# EAGLE board Mk4 Final Panel 6up 3x2 (EAGLE 9.0.1), part 2 of 18
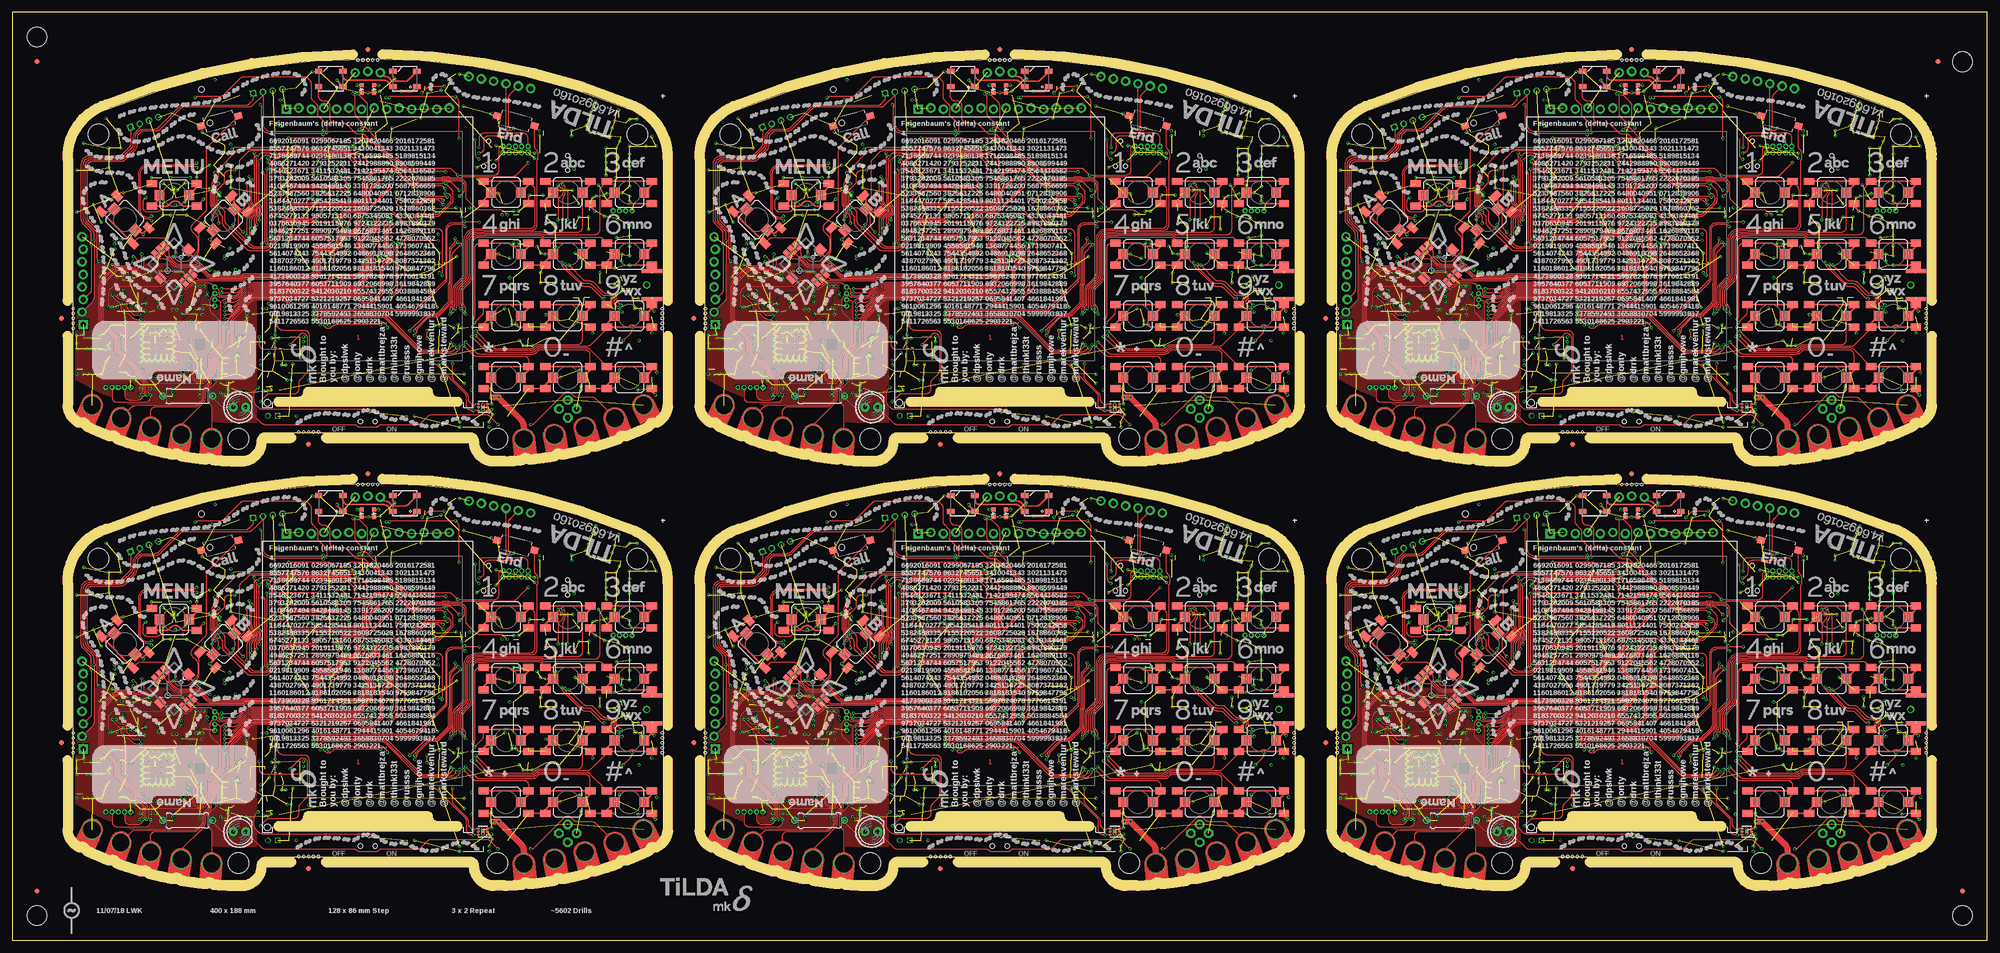
[diagram p0: board, top side]
## Placement (x,y rotation side) (continued)
C527  0402/100n/10V/X5R  [C0402-SMALLER]  292.75,37.75 180 bottom
C528  0402/100n/10V/X5R  [C0402-SMALLER]  293,30.75 180 bottom
C529  0402/100n/10V/X5R  [C0402-SMALLER]  285,27 270 bottom
C530  0402/12p/50V/C0G  [C0402-SMALLER]  278.95,32.25 270 bottom
C531  0402/12p/50V/C0G  [C0402-SMALLER]  278.95,30.25 90 bottom
C532  0402/12p/50V/C0G  [C0402-SMALLER]  295.75,33.75 270 bottom
C533  0402/12p/50V/C0G  [C0402-SMALLER]  295.75,35.75 90 bottom
C534  0402/100n/10V/X5R  [C0402-SMALLER]  343,31.5 180 bottom
C535  0402/120p/50V/C0G  [C0402-SMALLER]  295.95,26.35 270 bottom
C536  0402/100n/10V/X5R  [C0402-SMALLER]  352.25,22 90 bottom
C537  0402/220n/6V3/X5R  [C0402-SMALLER]  291.95,72.4 180 bottom
C538  0402/220n/6V3/X5R  [C0402-SMALLER]  292,69.5 180 bottom
C539  0402/100n/10V/X5R  [C0402-SMALLER]  347.35,18.5 270 bottom
C540  0402/100n/10V/X5R  [C0402-SMALLER]  354,21.5 270 bottom
C649  0603/4u7/10V/X5R  [C0603K-SMALL]  319.75,138.25 180 bottom
C650  0402/100n/10V/X5R  [C0402-SMALLER]  319.75,137 180 bottom
C651  0603/1u/6V3/X5R  [C0603K-SMALL]  322.75,173.5 270 bottom
C652  0402/100n/10V/X5R  [C0402-SMALLER]  337.75,144.25 0 bottom
C653  0402/100n/10V/X5R  [C0402-SMALLER]  330.5,170.75 270 bottom
C654  0402/100n/10V/X5R  [C0402-SMALLER]  337.5,166.5 0 bottom
C655  0402/100n/10V/X5R  [C0402-SMALLER]  346.45,168.5 270 bottom
C656  0603/2u2/6V3/X5R  [C0603K-SMALL]  339,149.5 0 bottom
C657  0603/1u/6V3/X5R  [C0603K-SMALL]  339,148.25 0 bottom
C658  0402/100n/10V/X5R  [C0402-SMALLER]  329.75,161 270 bottom
C659  0402/100n/10V/X5R  [C0402-SMALLER]  337.5,151.25 90 bottom
C660  0402/100n/10V/X5R  [C0402-SMALLER]  318.75,150.6 270 bottom
C661  0402/100n/10V/X5R  [C0402-SMALLER]  327.5,160.25 0 bottom
C662  0402/100n/10V/X5R  [C0402-SMALLER]  328,141.5 180 bottom
C663  0402/100n/10V/X5R  [C0402-SMALLER]  330.75,141.5 180 bottom
C664  0603/1u/6V3/X5R  [C0603K-SMALL]  330.75,139.75 180 bottom
C665  0402/100n/10V/X5R  [C0402-SMALLER]  326.5,162.25 0 bottom
C666  0402/12p/50V/C0G  [C0402-SMALLER]  330.25,162.45 180 bottom
C667  0402/12p/50V/C0G  [C0402-SMALLER]  332.25,162.45 0 bottom
C668  0402/12p/50V/C0G  [C0402-SMALLER]  321.4,161 180 bottom
C669  0402/12p/50V/C0G  [C0402-SMALLER]  323.4,161 0 bottom
C670  0603/3n3/50V/X7R  [C0603K-SMALL]  344.5,175.5 90 bottom
C671  0402/100n/10V/X5R  [C0402-SMALLER]  342,123.75 180 bottom
C672  0402/100n/10V/X5R  [C0402-SMALLER]  312.25,159.5 0 bottom
C673  0402/100n/10V/X5R  [C0402-SMALLER]  312.25,154.75 0 bottom
C674  0402/100n/10V/X5R  [C0402-SMALLER]  297.25,152.25 180 bottom
C675  0402/100n/10V/X5R  [C0402-SMALLER]  312.25,150.75 0 bottom
C676  0402/100n/10V/X5R  [C0402-SMALLER]  312.25,161 0 bottom
C677  0402/100n/10V/X5R  [C0402-SMALLER]  297.25,157 180 bottom
C678  0402/100n/10V/X5R  [C0402-SMALLER]  312.25,140.25 0 bottom
C679  1411/100u/10V/Tant  [CT3528]  364.25,123.5 90 bottom
C680  0603/4u7/10V/X5R  [C0603K-SMALL]  369.5,125.75 180 bottom
C681  0402/100n/10V/X5R  [C0402-SMALLER]  371.25,128.75 180 bottom
C682  1411/100u/10V/Tant  [CT3528]  360.5,123.5 90 bottom
C683  0805/10u/10V/X5R  [C0805-N]  300.45,116.75 0 bottom
C684  0603/4u7/10V/X5R  [C0603K-SMALL]  301.45,112.35 90 bottom
C685  0805/10u/10V/X5R  [C0805-N]  300.45,114.75 0 bottom
C686  0805/10u/10V/X5R  [C0805-N]  349,113.75 270 bottom
C687  0805/10u/10V/X5R  [C0805-N]  311.75,118 180 bottom
C688  0805/10u/10V/X5R  [C0805-N]  304.75,124.5 90 bottom
C689  0603/4u7/10V/X5R  [C0603K-SMALL]  304.2,122.25 180 bottom
C690  0402/47n/10V/X5R  [C0402-SMALLER]  304.75,121.25 0 bottom
C691  0805/10u/10V/X5R  [C0805-N]  308.25,117 0 bottom
C692  0603/1u/6V3/X5R  [C0603K-SMALL]  305.75,126.75 0 bottom
C693  1210/100u/6V3/X5R  [C1210K]  294,135.25 270 bottom
C694  1210/100u/6V3/X5R  [C1210K]  291.25,111 0 bottom
C695  0402/22p/10V/C0G  [C0402-SMALLER]  369.5,150.5 270 bottom
C696  0402/22p/10V/C0G  [C0402-SMALLER]  366.5,150.5 270 bottom
C697  0402/22p/10V/C0G  [C0402-SMALLER]  364.5,150.5 270 bottom
C698  0402/100n/10V/X5R  [C0402-SMALLER]  383.25,112.25 180 bottom
C699  0402/33p/50V/C0G  [C0402-SMALLER]  366,164 0 bottom
C700  0402/10p/50V/C0G  [C0402-SMALLER]  364,163 0 bottom
C701  0402/33p/50V/C0G  [C0402-SMALLER]  368,164 180 bottom
C702  0402/33p/50V/C0G  [C0402-SMALLER]  364,164 0 bottom
C703  0402/10p/50V/C0G  [C0402-SMALLER]  366,163 0 bottom
C704  0402/10p/50V/C0G  [C0402-SMALLER]  368,163 180 bottom
C705  0402/33p/50V/C0G  [C0402-SMALLER]  357.5,144.5 90 bottom
C706  0402/10p/50V/C0G  [C0402-SMALLER]  358.5,146.5 90 bottom
C707  0402/33p/50V/C0G  [C0402-SMALLER]  357.5,142.5 270 bottom
C708  0402/33p/50V/C0G  [C0402-SMALLER]  357.5,146.5 90 bottom
C709  0402/10p/50V/C0G  [C0402-SMALLER]  358.5,144.5 90 bottom
C710  0402/10p/50V/C0G  [C0402-SMALLER]  358.5,142.5 270 bottom
C711  0402/100n/10V/X5R  [C0402-SMALLER]  347.25,148.45 180 bottom
C712  0402/100n/10V/X5R  [C0402-SMALLER]  362.75,159 270 bottom
C713  [C0402-SMALLER]  379.45,136.1 270 bottom
C714  [C0402-SMALLER]  380,133.5 180 bottom
C715  [C0402-SMALLER]  378.75,163 20 bottom
C716  [C0402-SMALLER]  379.75,165.75 20 bottom
C717  [C0402-SMALLER]  273.75,121.5 270 bottom
C718  [C0402-SMALLER]  270.5,121.5 270 bottom
C719  0402/1n/10V/X5R  [C0402-SMALLER]  349.5,155.75 0 bottom
C720  0402/2n2/10V/X5R  [C0402-SMALLER]  347.5,155.75 0 bottom
C721  0402/100n/10V/X5R  [C0402-SMALLER]  352,153 0 bottom
C722  0402/100n/10V/X5R  [C0402-SMALLER]  352,152 0 bottom
C723  0402/220n/6V3/X5R  [C0402-SMALLER]  291.95,156.45 180 bottom
C724  0402/220n/6V3/X5R  [C0402-SMALLER]  291.95,157.45 180 bottom
C725  0402/100n/10V/X5R  [C0402-SMALLER]  289.05,147.45 270 bottom
C726  0402/100n/10V/X5R  [C0402-SMALLER]  285,135.25 180 bottom
C727  0402/100n/10V/X5R  [C0402-SMALLER]  276.25,127 270 bottom
C728  0402/100n/10V/X5R  [C0402-SMALLER]  279.5,121.25 0 bottom
C729  0805/10u/10V/X5R  [C0805-N]  279.85,132.1 90 bottom
C730  0402/100n/10V/X5R  [C0402-SMALLER]  282.1,128.25 90 bottom
C731  0402/100n/10V/X5R  [C0402-SMALLER]  292.75,124.75 180 bottom
C732  0603/1u/6V3/X5R  [C0603K-SMALL]  279.5,127.75 0 bottom
C733  0603/22u/4V/X5R  [C0603K-SMALL]  289.25,130.75 90 bottom
C734  0603/22u/4V/X5R  [C0603K-SMALL]  288,130.75 90 bottom
C735  0805/10u/10V/X5R  [C0805-N]  294.25,130 270 bottom
C736  0402/4u7/6V3/X5R  [C0402-SMALLER]  283.6,128 90 bottom
C737  0402/4u7/6V3/X5R  [C0402-SMALLER]  289.2,126.5 180 bottom
C738  0402/4u7/6V3/X5R  [C0402-SMALLER]  284.9,128.2 90 bottom
C739  0402/100n/10V/X5R  [C0402-SMALLER]  284,113 270 bottom
C740  0402/100n/10V/X5R  [C0402-SMALLER]  292,120.25 270 bottom
C741  0805/10u/10V/X5R  [C0805-N]  292.5,126.75 180 bottom
C742  0402/100n/10V/X5R  [C0402-SMALLER]  279.5,120.25 0 bottom
C743  0402/100n/10V/X5R  [C0402-SMALLER]  292.75,123.75 180 bottom
C744  0402/100n/10V/X5R  [C0402-SMALLER]  293,116.75 180 bottom
C745  0402/100n/10V/X5R  [C0402-SMALLER]  285,113 270 bottom
C746  0402/12p/50V/C0G  [C0402-SMALLER]  278.95,118.25 270 bottom
C747  0402/12p/50V/C0G  [C0402-SMALLER]  278.95,116.25 90 bottom
C748  0402/12p/50V/C0G  [C0402-SMALLER]  295.75,119.75 270 bottom
C749  0402/12p/50V/C0G  [C0402-SMALLER]  295.75,121.75 90 bottom
C750  0402/100n/10V/X5R  [C0402-SMALLER]  343,117.5 180 bottom
C751  0402/120p/50V/C0G  [C0402-SMALLER]  295.95,112.35 270 bottom
C752  0402/100n/10V/X5R  [C0402-SMALLER]  352.25,108 90 bottom
C753  0402/220n/6V3/X5R  [C0402-SMALLER]  291.95,158.4 180 bottom
C754  0402/220n/6V3/X5R  [C0402-SMALLER]  292,155.5 180 bottom
C755  0402/100n/10V/X5R  [C0402-SMALLER]  347.35,104.5 270 bottom
C756  0402/100n/10V/X5R  [C0402-SMALLER]  354,107.5 270 bottom
D1  MMSZ5231BT1G  [SOD123]  111,37.5 90 bottom
D2  LXES15AAA1-153  [R0402-SMALLER]  124,46.5 0 bottom
D3  MMSZ5231BT1G  [SOD123]  239,37.5 90 bottom
D4  LXES15AAA1-153  [R0402-SMALLER]  252,46.5 0 bottom
D5  MMSZ5231BT1G  [SOD123]  111,123.5 90 bottom
D6  LXES15AAA1-153  [R0402-SMALLER]  124,132.5 0 bottom
D7  MMSZ5231BT1G  [SOD123]  239,123.5 90 bottom
D8  LXES15AAA1-153  [R0402-SMALLER]  252,132.5 0 bottom
D9  MMSZ5231BT1G  [SOD123]  367,37.5 90 bottom
D10  LXES15AAA1-153  [R0402-SMALLER]  380,46.5 0 bottom
D13  MMSZ5231BT1G  [SOD123]  367,123.5 90 bottom
D14  LXES15AAA1-153  [R0402-SMALLER]  380,132.5 0 bottom
E$1  [FIDUCIAL-1X2.5-STOP]  395,10 0 top
E$2  [FIDUCIAL-1X2.5-STOP]  390,178 0 top
E$3  [FIDUCIAL-1X2.5-STOP]  5,178 0 top
E$4  [TILDA_ARTWORK]  131,9 0 top
E$5  [EMFLOGO1]  12,6 0 top
E$6  [FIDUCIAL-1X2.5-STOP]  5,10 0 bottom
E$7  [FIDUCIAL-1X2.5-STOP]  5,178 0 bottom
E$8  [FIDUCIAL-1X2.5-STOP]  390,178 0 bottom
E$9  [FIDUCIAL-1X2.5-STOP]  395,10 0 bottom
E$10  [FIDUCIAL-1X2.5-STOP]  5,10 0 top
E$11  [TILDA_ARTWORK_MKDELTA]  142,6 0 top
FID1  FIDUCIAL1X2.5-STOP  [FIDUCIAL-1X2.5-STOP]  60,14.5 270 top
FID2  FIDUCIAL1X2.5-STOP  [FIDUCIAL-1X2.5-STOP]  10,40 180 bottom
FID3  FIDUCIAL1X2.5-STOP  [FIDUCIAL-1X2.5-STOP]  72,94.5 180 top
FID4  FIDUCIAL1X2.5-STOP  [FIDUCIAL-1X2.5-STOP]  72,94.5 180 bottom
FID5  FIDUCIAL1X2.5-STOP  [FIDUCIAL-1X2.5-STOP]  10,40 180 top
FID6  FIDUCIAL1X2.5-STOP  [FIDUCIAL-1X2.5-STOP]  60,14.5 270 bottom
FID7  FIDUCIAL1X2.5-STOP  [FIDUCIAL-1X2.5-STOP]  188,14.5 270 top
FID8  FIDUCIAL1X2.5-STOP  [FIDUCIAL-1X2.5-STOP]  200,94.5 180 bottom
FID9  FIDUCIAL1X2.5-STOP  [FIDUCIAL-1X2.5-STOP]  200,94.5 180 top
FID10  FIDUCIAL1X2.5-STOP  [FIDUCIAL-1X2.5-STOP]  188,14.5 270 bottom
FID11  FIDUCIAL1X2.5-STOP  [FIDUCIAL-1X2.5-STOP]  138,40 180 bottom
FID12  FIDUCIAL1X2.5-STOP  [FIDUCIAL-1X2.5-STOP]  138,40 180 top
FID13  FIDUCIAL1X2.5-STOP  [FIDUCIAL-1X2.5-STOP]  60,100.5 270 top
FID14  FIDUCIAL1X2.5-STOP  [FIDUCIAL-1X2.5-STOP]  72,180.5 180 bottom
FID15  FIDUCIAL1X2.5-STOP  [FIDUCIAL-1X2.5-STOP]  72,180.5 180 top
FID16  FIDUCIAL1X2.5-STOP  [FIDUCIAL-1X2.5-STOP]  60,100.5 270 bottom
FID17  FIDUCIAL1X2.5-STOP  [FIDUCIAL-1X2.5-STOP]  10,126 180 bottom
FID18  FIDUCIAL1X2.5-STOP  [FIDUCIAL-1X2.5-STOP]  10,126 180 top
FID19  FIDUCIAL1X2.5-STOP  [FIDUCIAL-1X2.5-STOP]  188,100.5 270 top
FID20  FIDUCIAL1X2.5-STOP  [FIDUCIAL-1X2.5-STOP]  200,180.5 180 bottom
FID21  FIDUCIAL1X2.5-STOP  [FIDUCIAL-1X2.5-STOP]  200,180.5 180 top
FID22  FIDUCIAL1X2.5-STOP  [FIDUCIAL-1X2.5-STOP]  188,100.5 270 bottom
FID23  FIDUCIAL1X2.5-STOP  [FIDUCIAL-1X2.5-STOP]  138,126 180 bottom
FID24  FIDUCIAL1X2.5-STOP  [FIDUCIAL-1X2.5-STOP]  138,126 180 top
FID25  FIDUCIAL1X2.5-STOP  [FIDUCIAL-1X2.5-STOP]  316,14.5 270 top
FID26  FIDUCIAL1X2.5-STOP  [FIDUCIAL-1X2.5-STOP]  328,94.5 180 bottom
FID27  FIDUCIAL1X2.5-STOP  [FIDUCIAL-1X2.5-STOP]  328,94.5 180 top
FID28  FIDUCIAL1X2.5-STOP  [FIDUCIAL-1X2.5-STOP]  316,14.5 270 bottom
FID29  FIDUCIAL1X2.5-STOP  [FIDUCIAL-1X2.5-STOP]  266,40 180 bottom
FID30  FIDUCIAL1X2.5-STOP  [FIDUCIAL-1X2.5-STOP]  266,40 180 top
FID37  FIDUCIAL1X2.5-STOP  [FIDUCIAL-1X2.5-STOP]  316,100.5 270 top
FID38  FIDUCIAL1X2.5-STOP  [FIDUCIAL-1X2.5-STOP]  328,180.5 180 bottom
FID39  FIDUCIAL1X2.5-STOP  [FIDUCIAL-1X2.5-STOP]  328,180.5 180 top
FID40  FIDUCIAL1X2.5-STOP  [FIDUCIAL-1X2.5-STOP]  316,100.5 270 bottom
FID41  FIDUCIAL1X2.5-STOP  [FIDUCIAL-1X2.5-STOP]  266,126 180 bottom
FID42  FIDUCIAL1X2.5-STOP  [FIDUCIAL-1X2.5-STOP]  266,126 180 top
FL1  DEA202450BT-1294C1-H  [DEA202450BT]  23,37.75 270 bottom
FL2  DEA202450BT-1294C1-H  [DEA202450BT]  151,37.75 270 bottom
FL3  DEA202450BT-1294C1-H  [DEA202450BT]  23,123.75 270 bottom
FL4  DEA202450BT-1294C1-H  [DEA202450BT]  151,123.75 270 bottom
FL5  DEA202450BT-1294C1-H  [DEA202450BT]  279,37.75 270 bottom
FL7  DEA202450BT-1294C1-H  [DEA202450BT]  279,123.75 270 bottom
IC1  MSP432E401  [QFP128-0.4]  72,65 0 bottom
IC2  AS4C4M16SA-7TCN  [TSOP54-400]  48.7,64.7 270 bottom
IC3  HDC2080  [SHT2X]  94.1,19 90 bottom
IC4  TCA9555RGER  [QFN-24]  90.25,38 270 bottom
IC5  SIM800C24 S2-10686-Z1L09  [SIM800C]  112.5,53 180 bottom
IC6  MX25R8035FM1IH1  [SO08-EIAJ]  84.7,55.15 270 bottom
IC7  TPD3E001DRL  [DRL-5]  88.25,85.5 90 bottom
IC8  BQ25601  [QFN-24]  53.25,36 270 bottom
IC9  TPS62822DLCR  [VSON-HR]  43.7,26.1 180 bottom
IC10  TPD3E001DRL  [DRL-5]  121.25,42.4 270 bottom
IC11  TLV9002IDGK  [VSSOP8]  93,66 180 bottom
IC12  SN74HC4066D  [SO14]  103,66.5 0 bottom
IC13  TPA2006D1  [VSON-8]  32.8,65.95 270 bottom
IC14  MX25R1635FM1IL0  [SO08-EIAJ]  25.75,52.25 90 bottom
IC15  CC3120R  [VQFN-64]  29.5,34.5 0 bottom
IC16  TMP102  [SOT563]  87,33 270 bottom
IC17  OPT3001  [USON-6]  95.3,22 180 top
IC18  DRV5055  [SOT23-3]  100.25,21.25 180 bottom
IC19  AS4C4M16SA-7TCN  [TSOP54-400]  176.7,64.7 270 bottom
IC20  MSP432E401  [QFP128-0.4]  200,65 0 bottom
IC21  SIM800C24 S2-10686-Z1L09  [SIM800C]  240.5,53 180 bottom
IC22  MX25R8035FM1IH1  [SO08-EIAJ]  212.7,55.15 270 bottom
IC23  TPD3E001DRL  [DRL-5]  216.25,85.5 90 bottom
IC24  BQ25601  [QFN-24]  181.25,36 270 bottom
IC25  TPD3E001DRL  [DRL-5]  249.25,42.4 270 bottom
IC26  TLV9002IDGK  [VSSOP8]  221,66 180 bottom
IC27  SN74HC4066D  [SO14]  231,66.5 0 bottom
IC28  TPA2006D1  [VSON-8]  160.8,65.95 270 bottom
IC29  CC3120R  [VQFN-64]  157.5,34.5 0 bottom
IC30  MX25R1635FM1IL0  [SO08-EIAJ]  153.75,52.25 90 bottom
IC31  TCA9555RGER  [QFN-24]  218.25,38 270 bottom
IC32  TMP102  [SOT563]  215,33 270 bottom
IC33  TPS62822DLCR  [VSON-HR]  171.7,26.1 180 bottom
IC34  OPT3001  [USON-6]  223.3,22 180 top
IC35  HDC2080  [SHT2X]  222.1,19 90 bottom
IC36  DRV5055  [SOT23-3]  228.25,21.25 180 bottom
IC37  AS4C4M16SA-7TCN  [TSOP54-400]  48.7,150.7 270 bottom
IC38  MSP432E401  [QFP128-0.4]  72,151 0 bottom
IC39  SIM800C24 S2-10686-Z1L09  [SIM800C]  112.5,139 180 bottom
IC40  MX25R8035FM1IH1  [SO08-EIAJ]  84.7,141.15 270 bottom
IC41  TPD3E001DRL  [DRL-5]  88.25,171.5 90 bottom
IC42  BQ25601  [QFN-24]  53.25,122 270 bottom
IC43  TPD3E001DRL  [DRL-5]  121.25,128.4 270 bottom
IC44  TLV9002IDGK  [VSSOP8]  93,152 180 bottom
IC45  SN74HC4066D  [SO14]  103,152.5 0 bottom
IC46  TPA2006D1  [VSON-8]  32.8,151.95 270 bottom
IC47  CC3120R  [VQFN-64]  29.5,120.5 0 bottom
IC48  MX25R1635FM1IL0  [SO08-EIAJ]  25.75,138.25 90 bottom
IC49  TCA9555RGER  [QFN-24]  90.25,124 270 bottom
IC50  TMP102  [SOT563]  87,119 270 bottom
IC51  TPS62822DLCR  [VSON-HR]  43.7,112.1 180 bottom
IC52  OPT3001  [USON-6]  95.3,108 180 top
IC53  HDC2080  [SHT2X]  94.1,105 90 bottom
IC54  DRV5055  [SOT23-3]  100.25,107.25 180 bottom
IC55  AS4C4M16SA-7TCN  [TSOP54-400]  176.7,150.7 270 bottom
IC56  MSP432E401  [QFP128-0.4]  200,151 0 bottom
IC57  SIM800C24 S2-10686-Z1L09  [SIM800C]  240.5,139 180 bottom
IC58  MX25R8035FM1IH1  [SO08-EIAJ]  212.7,141.15 270 bottom
IC59  TPD3E001DRL  [DRL-5]  216.25,171.5 90 bottom
IC60  BQ25601  [QFN-24]  181.25,122 270 bottom
IC61  TPD3E001DRL  [DRL-5]  249.25,128.4 270 bottom
IC62  TLV9002IDGK  [VSSOP8]  221,152 180 bottom
IC63  SN74HC4066D  [SO14]  231,152.5 0 bottom
IC64  TPA2006D1  [VSON-8]  160.8,151.95 270 bottom
IC65  CC3120R  [VQFN-64]  157.5,120.5 0 bottom
IC66  MX25R1635FM1IL0  [SO08-EIAJ]  153.75,138.25 90 bottom
IC67  TCA9555RGER  [QFN-24]  218.25,124 270 bottom
IC68  TMP102  [SOT563]  215,119 270 bottom
IC69  TPS62822DLCR  [VSON-HR]  171.7,112.1 180 bottom
IC70  OPT3001  [USON-6]  223.3,108 180 top
IC71  HDC2080  [SHT2X]  222.1,105 90 bottom
IC72  DRV5055  [SOT23-3]  228.25,107.25 180 bottom
IC73  AS4C4M16SA-7TCN  [TSOP54-400]  304.7,64.7 270 bottom
IC74  MSP432E401  [QFP128-0.4]  328,65 0 bottom
IC75  SIM800C24 S2-10686-Z1L09  [SIM800C]  368.5,53 180 bottom
IC76  MX25R8035FM1IH1  [SO08-EIAJ]  340.7,55.15 270 bottom
IC77  TPD3E001DRL  [DRL-5]  344.25,85.5 90 bottom
IC78  BQ25601  [QFN-24]  309.25,36 270 bottom
IC79  TPD3E001DRL  [DRL-5]  377.25,42.4 270 bottom
IC80  TLV9002IDGK  [VSSOP8]  349,66 180 bottom
IC81  SN74HC4066D  [SO14]  359,66.5 0 bottom
IC82  TPA2006D1  [VSON-8]  288.8,65.95 270 bottom
IC83  CC3120R  [VQFN-64]  285.5,34.5 0 bottom
IC84  MX25R1635FM1IL0  [SO08-EIAJ]  281.75,52.25 90 bottom
IC85  TCA9555RGER  [QFN-24]  346.25,38 270 bottom
IC86  TMP102  [SOT563]  343,33 270 bottom
IC87  TPS62822DLCR  [VSON-HR]  299.7,26.1 180 bottom
IC88  OPT3001  [USON-6]  351.3,22 180 top
IC89  HDC2080  [SHT2X]  350.1,19 90 bottom
IC90  DRV5055  [SOT23-3]  356.25,21.25 180 bottom
IC109  AS4C4M16SA-7TCN  [TSOP54-400]  304.7,150.7 270 bottom
IC110  MSP432E401  [QFP128-0.4]  328,151 0 bottom
IC111  SIM800C24 S2-10686-Z1L09  [SIM800C]  368.5,139 180 bottom
IC112  MX25R8035FM1IH1  [SO08-EIAJ]  340.7,141.15 270 bottom
IC113  TPD3E001DRL  [DRL-5]  344.25,171.5 90 bottom
IC114  BQ25601  [QFN-24]  309.25,122 270 bottom
IC115  TPD3E001DRL  [DRL-5]  377.25,128.4 270 bottom
IC116  TLV9002IDGK  [VSSOP8]  349,152 180 bottom
IC117  SN74HC4066D  [SO14]  359,152.5 0 bottom
IC118  TPA2006D1  [VSON-8]  288.8,151.95 270 bottom
IC119  CC3120R  [VQFN-64]  285.5,120.5 0 bottom
IC120  MX25R1635FM1IL0  [SO08-EIAJ]  281.75,138.25 90 bottom
IC121  TCA9555RGER  [QFN-24]  346.25,124 270 bottom
IC122  TMP102  [SOT563]  343,119 270 bottom
IC123  TPS62822DLCR  [VSON-HR]  299.7,112.1 180 bottom
IC124  OPT3001  [USON-6]  351.3,108 180 top
IC125  HDC2080  [SHT2X]  350.1,105 90 bottom
IC126  DRV5055  [SOT23-3]  356.25,107.25 180 bottom
J1  78723-1001  [MSIM-MOLEX-LWK]  129.5,34.25 180 bottom
J2  ER-CON50HT-1  [FH12-50S-0.5SH]  72,45.5 0 bottom
J3  2x5 1.27mm  [PINHEAD_2X05_127]  101.9,74.2 0 bottom
J4  GSM-COIL-ANT  [GSM-ANTENNA]  128.5,46.75 0 bottom
J5  S2B-PH-SM4-TB(LF)(SN)  [JST-2-SMD]  100.8,27.8 90 bottom
J6  ER-CON50HT-1  [FH12-50S-0.5SH]  200,45.5 0 bottom
J7  SMA-142-0711-821/826  [J502-ND-142-0711-821/826-LWK1]  131.8,46.75 0 bottom
J8  H4P-SMD-2.0  [HW4-2.0-SWD-COMBINED]  51.75,86 172 bottom
J9  PJ-393-A  [PJ-393-A]  37.75,88.6 256 bottom
J10  H4P-SMD-2.0  [HW4-2.0-SWD-COMBINED]  26.75,79.75 160 bottom
J11  M02X2  [2X2]  112.5,21.65 315 bottom
J12  S2B-PH-SM4-TB(LF)(SN)  [JST-2-SMD]  228.8,27.8 90 bottom
J13  2x5 1.27mm  [PINHEAD_2X05_127]  229.9,74.2 0 bottom
J14  78723-1001  [MSIM-MOLEX-LWK]  257.5,34.25 180 bottom
J15  GSM-COIL-ANT  [GSM-ANTENNA]  256.5,46.75 0 bottom
J16  H4P-SMD-2.0  [HW4-2.0-SWD-COMBINED]  154.75,79.75 160 bottom
J17  PJ-393-A  [PJ-393-A]  165.75,88.6 256 bottom
J18  H4P-SMD-2.0  [HW4-2.0-SWD-COMBINED]  179.75,86 172 bottom
J19  SMA-142-0711-821/826  [J502-ND-142-0711-821/826-LWK1]  259.8,46.75 0 bottom
J20  M02X2  [2X2]  240.5,21.65 315 bottom
J21  ER-CON50HT-1  [FH12-50S-0.5SH]  72,131.5 0 bottom
J22  S2B-PH-SM4-TB(LF)(SN)  [JST-2-SMD]  100.8,113.8 90 bottom
J23  2x5 1.27mm  [PINHEAD_2X05_127]  101.9,160.2 0 bottom
J24  78723-1001  [MSIM-MOLEX-LWK]  129.5,120.25 180 bottom
J25  GSM-COIL-ANT  [GSM-ANTENNA]  128.5,132.75 0 bottom
J26  H4P-SMD-2.0  [HW4-2.0-SWD-COMBINED]  26.75,165.75 160 bottom
J27  PJ-393-A  [PJ-393-A]  37.75,174.6 256 bottom
J28  H4P-SMD-2.0  [HW4-2.0-SWD-COMBINED]  51.75,172 172 bottom
J29  SMA-142-0711-821/826  [J502-ND-142-0711-821/826-LWK1]  131.8,132.75 0 bottom
J30  M02X2  [2X2]  112.5,107.65 315 bottom
J31  ER-CON50HT-1  [FH12-50S-0.5SH]  200,131.5 0 bottom
J32  S2B-PH-SM4-TB(LF)(SN)  [JST-2-SMD]  228.8,113.8 90 bottom
J33  2x5 1.27mm  [PINHEAD_2X05_127]  229.9,160.2 0 bottom
J34  78723-1001  [MSIM-MOLEX-LWK]  257.5,120.25 180 bottom
J35  GSM-COIL-ANT  [GSM-ANTENNA]  256.5,132.75 0 bottom
J36  H4P-SMD-2.0  [HW4-2.0-SWD-COMBINED]  154.75,165.75 160 bottom
J37  PJ-393-A  [PJ-393-A]  165.75,174.6 256 bottom
J38  H4P-SMD-2.0  [HW4-2.0-SWD-COMBINED]  179.75,172 172 bottom
J39  SMA-142-0711-821/826  [J502-ND-142-0711-821/826-LWK1]  259.8,132.75 0 bottom
J40  M02X2  [2X2]  240.5,107.65 315 bottom
J41  ER-CON50HT-1  [FH12-50S-0.5SH]  328,45.5 0 bottom
J42  S2B-PH-SM4-TB(LF)(SN)  [JST-2-SMD]  356.8,27.8 90 bottom
J43  2x5 1.27mm  [PINHEAD_2X05_127]  357.9,74.2 0 bottom
J44  78723-1001  [MSIM-MOLEX-LWK]  385.5,34.25 180 bottom
J45  GSM-COIL-ANT  [GSM-ANTENNA]  384.5,46.75 0 bottom
J46  H4P-SMD-2.0  [HW4-2.0-SWD-COMBINED]  282.75,79.75 160 bottom
J47  PJ-393-A  [PJ-393-A]  293.75,88.6 256 bottom
J48  H4P-SMD-2.0  [HW4-2.0-SWD-COMBINED]  307.75,86 172 bottom
J49  SMA-142-0711-821/826  [J502-ND-142-0711-821/826-LWK1]  387.8,46.75 0 bottom
J50  M02X2  [2X2]  368.5,21.65 315 bottom
J61  ER-CON50HT-1  [FH12-50S-0.5SH]  328,131.5 0 bottom
J62  S2B-PH-SM4-TB(LF)(SN)  [JST-2-SMD]  356.8,113.8 90 bottom
J63  2x5 1.27mm  [PINHEAD_2X05_127]  357.9,160.2 0 bottom
J64  78723-1001  [MSIM-MOLEX-LWK]  385.5,120.25 180 bottom
J65  GSM-COIL-ANT  [GSM-ANTENNA]  384.5,132.75 0 bottom
J66  H4P-SMD-2.0  [HW4-2.0-SWD-COMBINED]  282.75,165.75 160 bottom
J67  PJ-393-A  [PJ-393-A]  293.75,174.6 256 bottom
J68  H4P-SMD-2.0  [HW4-2.0-SWD-COMBINED]  307.75,172 172 bottom
J69  SMA-142-0711-821/826  [J502-ND-142-0711-821/826-LWK1]  387.8,132.75 0 bottom
J70  M02X2  [2X2]  368.5,107.65 315 bottom
JP1  [1X05-1.27MM]  24.02,26 0 bottom
JP2  1x03  [1X03_LOCK]  69.46,89.9 180 bottom
JP3  1x02 2MM  [1X02_2MM]  53.75,20.25 0 bottom
JP4  TC2030-MCP-NL  [TC2030-MCP-NL]  96.45,75.9 270 bottom
JP5  [1X04-1.27MM]  41,42.5 90 bottom
JP6  [1X08_LOCK]  14.25,38.75 90 bottom
JP7  1x14  [1X14_LOCK]  55.49,82.5 180 bottom
JP8  [1X06]  92.5,89 191 bottom
JP9  1x04_1.27MM  [1X04-1.27MM]  125.5,61.8 0 bottom
JP10  TC2030-MCP-NL  [TC2030-MCP-NL]  224.45,75.9 270 bottom
JP11  1x03  [1X03_LOCK]  197.46,89.9 180 bottom
JP12  1x14  [1X14_LOCK]  183.49,82.5 180 bottom
JP13  1x02 2MM  [1X02_2MM]  181.75,20.25 0 bottom
JP14  1x04_1.27MM  [1X04-1.27MM]  253.5,61.8 0 bottom
JP15  [1X05-1.27MM]  152.02,26 0 bottom
JP16  [1X04-1.27MM]  169,42.5 90 bottom
JP17  [1X08_LOCK]  142.25,38.75 90 bottom
JP18  [1X06]  220.5,89 191 bottom
JP19  TC2030-MCP-NL  [TC2030-MCP-NL]  96.45,161.9 270 bottom
JP20  1x03  [1X03_LOCK]  69.46,175.9 180 bottom
JP21  1x14  [1X14_LOCK]  55.49,168.5 180 bottom
JP22  1x02 2MM  [1X02_2MM]  53.75,106.25 0 bottom
JP23  1x04_1.27MM  [1X04-1.27MM]  125.5,147.8 0 bottom
JP24  [1X05-1.27MM]  24.02,112 0 bottom
JP25  [1X04-1.27MM]  41,128.5 90 bottom
JP26  [1X08_LOCK]  14.25,124.75 90 bottom
JP27  [1X06]  92.5,175 191 bottom
JP28  TC2030-MCP-NL  [TC2030-MCP-NL]  224.45,161.9 270 bottom
JP29  1x03  [1X03_LOCK]  197.46,175.9 180 bottom
JP30  1x14  [1X14_LOCK]  183.49,168.5 180 bottom
JP31  1x02 2MM  [1X02_2MM]  181.75,106.25 0 bottom
JP32  1x04_1.27MM  [1X04-1.27MM]  253.5,147.8 0 bottom
JP33  [1X05-1.27MM]  152.02,112 0 bottom
JP34  [1X04-1.27MM]  169,128.5 90 bottom
JP35  [1X08_LOCK]  142.25,124.75 90 bottom
JP36  [1X06]  220.5,175 191 bottom
JP37  TC2030-MCP-NL  [TC2030-MCP-NL]  352.45,75.9 270 bottom
JP38  1x03  [1X03_LOCK]  325.46,89.9 180 bottom
JP39  1x14  [1X14_LOCK]  311.49,82.5 180 bottom
JP40  1x02 2MM  [1X02_2MM]  309.75,20.25 0 bottom
JP41  1x04_1.27MM  [1X04-1.27MM]  381.5,61.8 0 bottom
JP42  [1X05-1.27MM]  280.02,26 0 bottom
JP43  [1X04-1.27MM]  297,42.5 90 bottom
JP44  [1X08_LOCK]  270.25,38.75 90 bottom
JP45  [1X06]  348.5,89 191 bottom
JP55  TC2030-MCP-NL  [TC2030-MCP-NL]  352.45,161.9 270 bottom
JP56  1x03  [1X03_LOCK]  325.46,175.9 180 bottom
JP57  1x14  [1X14_LOCK]  311.49,168.5 180 bottom
JP58  1x02 2MM  [1X02_2MM]  309.75,106.25 0 bottom
JP59  1x04_1.27MM  [1X04-1.27MM]  381.5,147.8 0 bottom
JP60  [1X05-1.27MM]  280.02,112 0 bottom
JP61  [1X04-1.27MM]  297,128.5 90 bottom
JP62  [1X08_LOCK]  270.25,124.75 90 bottom
JP63  [1X06]  348.5,175 191 bottom
L1  SRN2512-2R2M  [1008]  48.25,31.75 270 bottom
L2  BLM18KG121TN1D  [WUERTH-0805]  78.5,84.75 0 bottom
L3  0402/0R/5%  [L0402]  124.5,49 270 bottom
L4  DFE201610E-R47M=P2  [0806]  47.5,27.15 90 bottom
L5  0402/0R/5%  [L0402]  122.75,78.5 110 bottom
L6  0402/0R/5%  [L0402]  16,35 0 bottom
L7  LQM2HPN2R2MG0L  [1008]  26.5,45.2 180 bottom
L8  LQM2HPN1R0MG0L  [1008]  29.5,45.5 270 bottom
L9  LQM2HPN2R2MG0L  [1008]  36,44 270 bottom
L10  BLM18KG121TN1D  [WUERTH-0805]  206.5,84.75 0 bottom
L11  DFE201610E-R47M=P2  [0806]  175.5,27.15 90 bottom
L12  SRN2512-2R2M  [1008]  176.25,31.75 270 bottom
L13  0402/0R/5%  [L0402]  252.5,49 270 bottom
L14  0402/0R/5%  [L0402]  250.75,78.5 110 bottom
L15  0402/0R/5%  [L0402]  144,35 0 bottom
L16  LQM2HPN2R2MG0L  [1008]  154.5,45.2 180 bottom
L17  LQM2HPN1R0MG0L  [1008]  157.5,45.5 270 bottom
L18  LQM2HPN2R2MG0L  [1008]  164,44 270 bottom
L19  BLM18KG121TN1D  [WUERTH-0805]  78.5,170.75 0 bottom
L20  DFE201610E-R47M=P2  [0806]  47.5,113.15 90 bottom
L21  SRN2512-2R2M  [1008]  48.25,117.75 270 bottom
L22  0402/0R/5%  [L0402]  124.5,135 270 bottom
L23  0402/0R/5%  [L0402]  122.75,164.5 110 bottom
L24  0402/0R/5%  [L0402]  16,121 0 bottom
L25  LQM2HPN2R2MG0L  [1008]  26.5,131.2 180 bottom
L26  LQM2HPN1R0MG0L  [1008]  29.5,131.5 270 bottom
L27  LQM2HPN2R2MG0L  [1008]  36,130 270 bottom
L28  BLM18KG121TN1D  [WUERTH-0805]  206.5,170.75 0 bottom
L29  DFE201610E-R47M=P2  [0806]  175.5,113.15 90 bottom
L30  SRN2512-2R2M  [1008]  176.25,117.75 270 bottom
L31  0402/0R/5%  [L0402]  252.5,135 270 bottom
L32  0402/0R/5%  [L0402]  250.75,164.5 110 bottom
L33  0402/0R/5%  [L0402]  144,121 0 bottom
L34  LQM2HPN2R2MG0L  [1008]  154.5,131.2 180 bottom
L35  LQM2HPN1R0MG0L  [1008]  157.5,131.5 270 bottom
L36  LQM2HPN2R2MG0L  [1008]  164,130 270 bottom
L37  BLM18KG121TN1D  [WUERTH-0805]  334.5,84.75 0 bottom